# KiCad board CRMHJN_capable_carrier.kicad_pcb (continued)
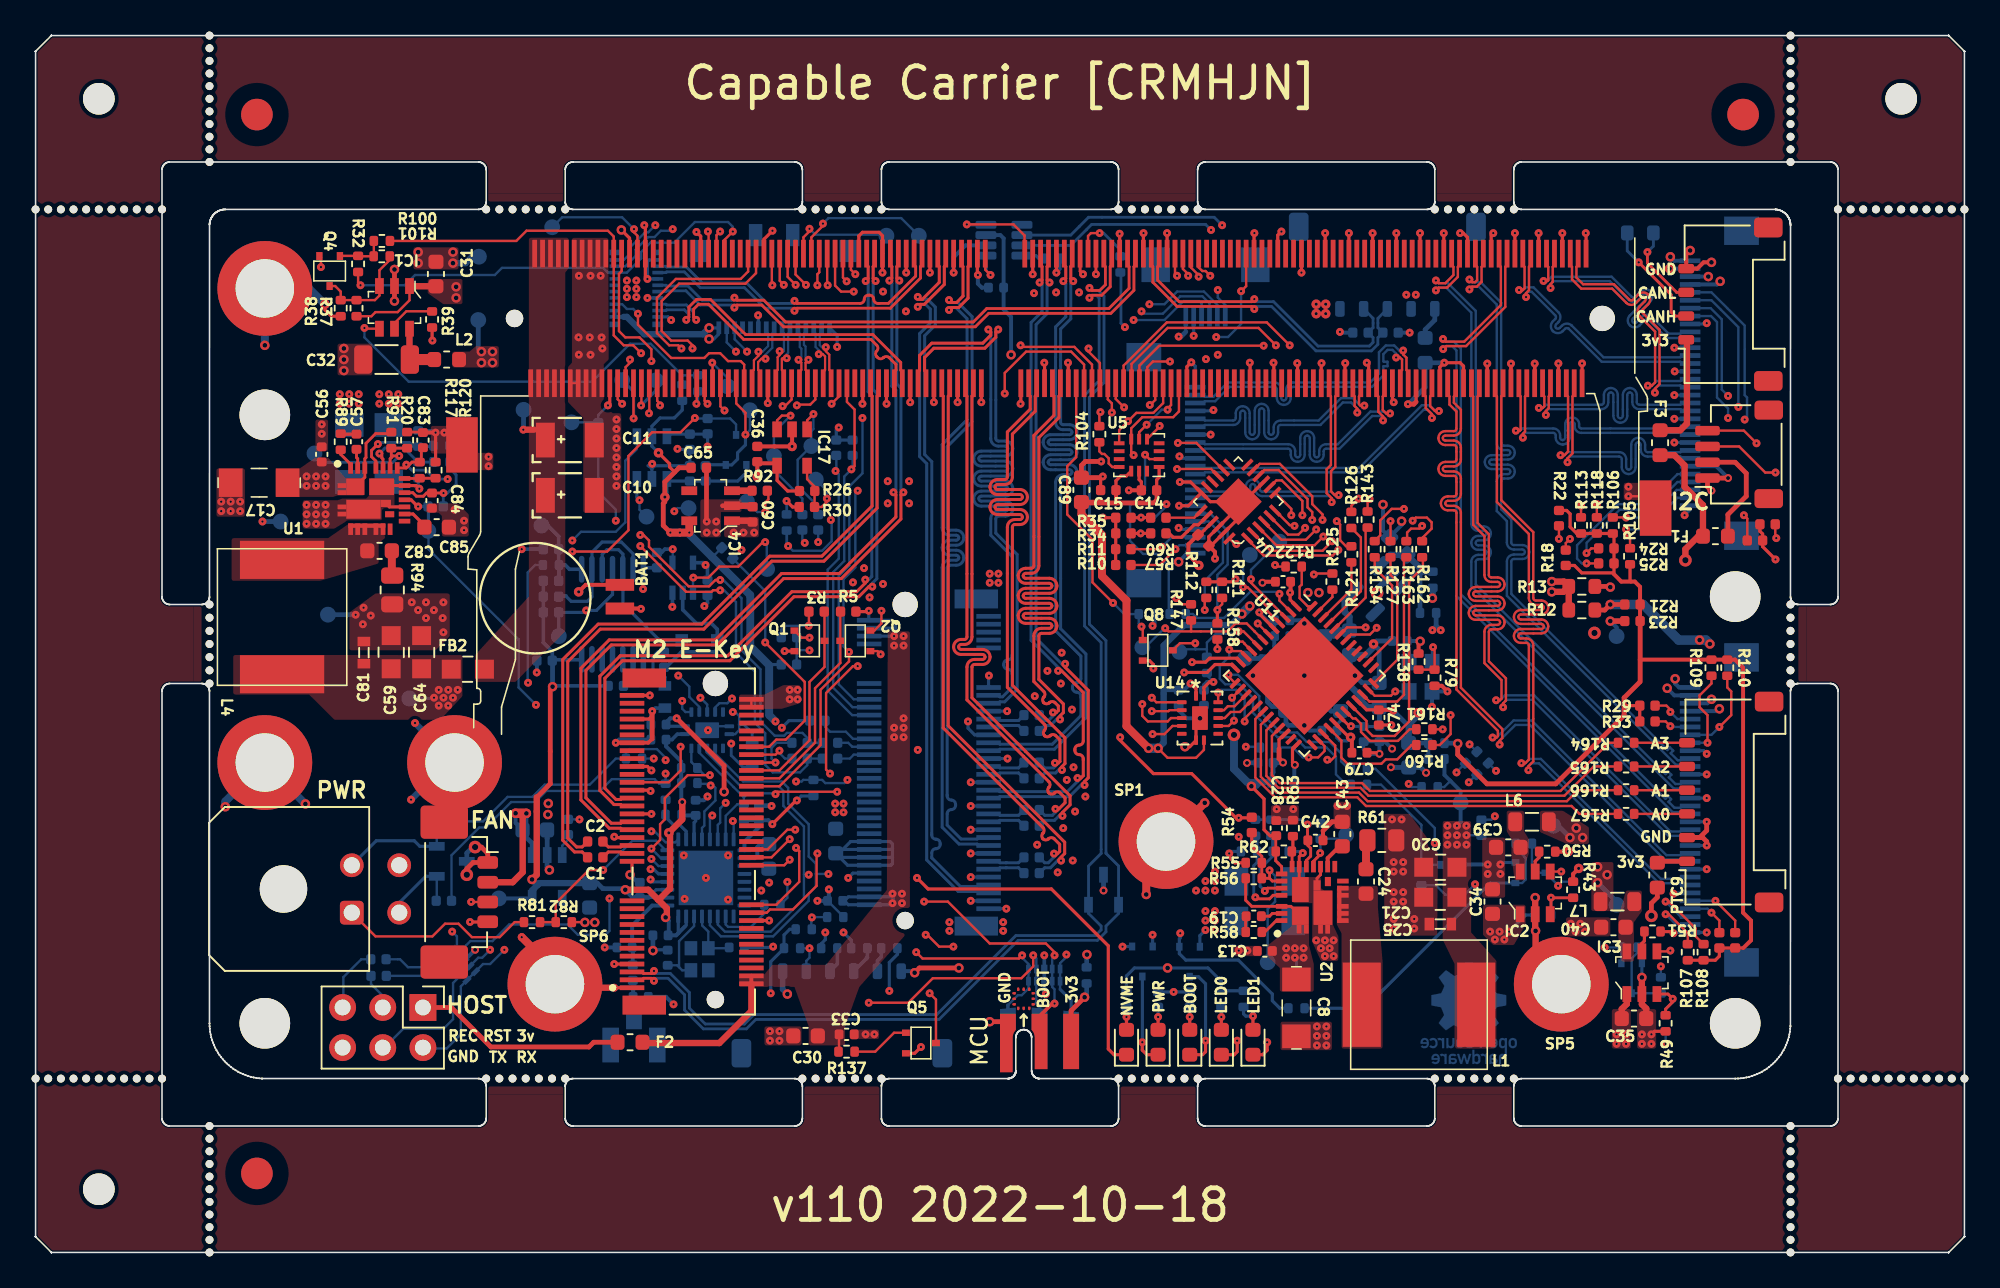
[diagram p0: board, top side]
## Routing (per net, layer and track width the routed paths; a pad name or vN(x,y) marks a point on that pad's centre or on a via; arc(x,y) is an arc through that point) (continued)
Board_0-/CSI/CSI2_D1_P: length 45.5
  Top w0.152: M1.36 89.32,54.27 89.43,54.16 89.43,53.65 89.87,53.21 89.87,52.13 arc(89.82,52.02) 89.71,51.97 89.17,51.97 arc(88.86,51.84) 88.73,51.53 arc(88.86,51.22) 89.17,51.09 89.71,51.09 arc(89.82,51.04) 89.87,50.93 89.87,50.18 arc(89.82,50.07) 89.71,50.02 89.17,50.02 arc(88.86,49.89) 88.73,49.58 arc(88.86,49.27) 89.17,49.14 89.71,49.14 arc(89.82,49.09) 89.87,48.98 89.87,48 arc(89.82,47.89) 89.71,47.84 89.33,47.84 arc(89.01,47.71) 88.89,47.4 arc(89.01,47.09) 89.33,46.96 89.71,46.96 arc(89.82,46.91) 89.87,46.8 89.87,35.62 92.49,33 92.49,32.67 92.4,32.58 v1(92.16,32.58)
  Bottom w0.152: v1(92.16,32.58) 92.4,32.58 93.48,33.66 94.63,33.66 103.15,25.14 104.04,25.14 104.15,25.25 J7.22
Board_0-/CSI/CSI3_CLK_N: length 45.5
  Top w0.152: M1.27 91.57,62.48 91.46,62.36 91.46,61.41 91.16,61.11 90.87,61.11 v1(90.69,60.94)
  Bottom w0.152: J7.11 104.15,30.75 104.04,30.86 103.75,30.86 93.06,41.55 93.06,43.72 arc(93.19,44.03) 93.5,44.16 94.04,44.16 arc(94.15,44.21) 94.2,44.32 arc(94.15,44.43) 94.04,44.48 93.5,44.48 arc(93.19,44.61) 93.06,44.92 93.06,46.27 92.42,46.91 92.42,48.81 arc(92.55,49.12) 92.86,49.25 93.12,49.25 arc(93.23,49.3) 93.28,49.41 arc(93.23,49.52) 93.12,49.57 92.1,49.57 arc(91.79,49.7) 91.66,50.01 arc(91.79,50.32) 92.1,50.45 93.12,50.45 arc(93.23,50.5) 93.28,50.61 arc(93.23,50.72) 93.12,50.77 92.86,50.77 arc(92.55,50.9) 92.42,51.21 92.42,59.98 91.29,61.11 90.87,61.11 v1(90.69,60.94)
Board_0-/CSI/CSI3_CLK_P: length 45.5
  Top w0.152: M1.29 91.07,62.48 91.18,62.36 91.18,61.53 91.04,61.39 90.87,61.39 v1(90.69,61.57)
  Bottom w0.152: J7.10 104.15,31.25 104.04,31.14 103.87,31.14 103.42,31.59 103.58,31.75 103.38,31.95 103.21,31.79 93.34,41.67 93.34,43.72 arc(93.39,43.83) 93.5,43.88 94.04,43.88 arc(94.35,44.01) 94.48,44.32 arc(94.35,44.63) 94.04,44.76 93.5,44.76 arc(93.39,44.81) 93.34,44.92 93.34,46.39 92.7,47.03 92.7,48.81 arc(92.75,48.92) 92.86,48.97 93.12,48.97 arc(93.43,49.1) 93.56,49.41 arc(93.43,49.72) 93.12,49.85 92.1,49.85 arc(91.99,49.9) 91.94,50.01 arc(91.99,50.12) 92.1,50.17 93.12,50.17 arc(93.43,50.3) 93.56,50.61 arc(93.43,50.92) 93.12,51.05 92.86,51.05 arc(92.75,51.1) 92.7,51.21 92.7,60.1 91.41,61.39 90.87,61.39 v1(90.69,61.57)
Board_0-/CSI/CSI3_D0_N: length 45.5
  Top w0.152: M1.21 93.07,62.48 92.96,62.36 92.96,59.83 90.48,57.35 89.22,57.35 v1(89.03,57.16)
  Bottom w0.152: J7.17 104.15,27.75 104.04,27.86 103.54,27.86 89.87,41.53 89.87,57.07 89.59,57.35 89.22,57.35 v1(89.03,57.16)
Board_0-/CSI/CSI3_D0_P: length 45.5
  Top w0.152: v1(89.02,57.8) 89.19,57.63 90.36,57.63 92.68,59.95 92.68,62.36 92.57,62.48 M1.23
  Bottom w0.152: J7.16 104.15,28.25 104.04,28.14 103.66,28.14 103.28,28.51 103.44,28.67 103.44,28.69 103.26,28.87 103.25,28.87 103.09,28.71 90.15,41.65 90.15,57.19 89.71,57.63 89.19,57.63 v1(89.02,57.8)
Board_0-/CSI/CSI3_D1_N: length 45.5
  Top w0.152: v1(88.57,60.88) 88.74,61.05 89.28,61.05 89.96,61.73 89.96,62.36 90.07,62.48 M1.33
  Bottom w0.152: J7.14 104.15,29.25 104.04,29.36 103.61,29.36 90.81,42.16 90.81,43.7 arc(90.94,44.01) 91.25,44.14 91.61,44.14 arc(91.72,44.19) 91.77,44.3 arc(91.72,44.41) 91.61,44.46 91.25,44.46 arc(90.94,44.59) 90.81,44.9 arc(90.94,45.21) 91.25,45.34 91.61,45.34 arc(91.72,45.39) 91.77,45.5 arc(91.72,45.61) 91.61,45.66 91.25,45.66 arc(90.94,45.79) 90.81,46.1 90.81,59.46 89.22,61.05 88.74,61.05 v1(88.57,60.88)
Board_0-/CSI/CSI3_D1_P: length 45.5
  Top w0.152: M1.35 89.57,62.48 89.68,62.36 89.68,61.85 89.16,61.33 88.74,61.33 v1(88.57,61.5)
  Bottom w0.152: v1(88.57,61.5) 88.74,61.33 89.34,61.33 91.09,59.58 91.09,46.1 arc(91.14,45.99) 91.25,45.94 91.61,45.94 arc(91.92,45.81) 92.05,45.5 arc(91.92,45.19) 91.61,45.06 91.25,45.06 arc(91.14,45.01) 91.09,44.9 arc(91.14,44.79) 91.25,44.74 91.61,44.74 arc(91.92,44.61) 92.05,44.3 arc(91.92,43.99) 91.61,43.86 91.25,43.86 arc(91.14,43.81) 91.09,43.7 91.09,42.28 103.1,30.27 103.26,30.43 103.47,30.23 103.3,30.06 103.73,29.64 104.04,29.64 104.15,29.75 J7.13
Board_0-/CSI/CSI4_CLK_N: length 19.5
  Top w0.152: v1(85.67,53.09) 85.43,53.09 85.21,53.31 85.21,54.16 85.32,54.27 M1.52
  Bottom w0.152: J10.15 73.85,51.25 73.96,51.14 79.23,51.14 arc(79.54,51.01) 79.67,50.7 79.67,50.47 arc(79.72,50.36) 79.83,50.31 arc(79.94,50.36) 79.99,50.47 79.99,51.53 arc(80.12,51.84) 80.43,51.97 arc(80.74,51.84) 80.87,51.53 80.87,50.47 arc(80.92,50.36) 81.03,50.31 arc(81.14,50.36) 81.19,50.47 81.19,50.7 arc(81.32,51.01) 81.63,51.14 82.36,51.14 84.43,53.21 85.31,53.21 85.43,53.09 v1(85.67,53.09)
Board_0-/CSI/CSI4_CLK_P: length 19.5
  Top w0.152: M1.54 84.82,54.27 84.93,54.16 84.93,53.19 85.23,52.89 v1(85.23,52.65)
  Bottom w0.152: J10.14 73.85,50.75 73.96,50.86 79.23,50.86 arc(79.34,50.81) 79.39,50.7 79.39,50.47 arc(79.52,50.16) 79.83,50.03 arc(80.14,50.16) 80.27,50.47 80.27,51.53 arc(80.32,51.64) 80.43,51.69 arc(80.54,51.64) 80.59,51.53 80.59,50.47 arc(80.72,50.16) 81.03,50.03 arc(81.34,50.16) 81.47,50.47 81.47,50.7 arc(81.52,50.81) 81.63,50.86 82.48,50.86 84.55,52.93 85.19,52.93 85.23,52.89 v1(85.23,52.65)
Board_0-/CSI/CSI4_D0_N: length 19.4
  Top w0.152: M1.46 86.82,55.73 86.71,55.84 86.71,56.61 86.5,56.82 v1(86.5,57.07)
  Bottom w0.152: J10.21 73.85,54.25 73.96,54.14 74.49,54.14 75.4,55.05 78.35,55.05 arc(78.66,54.92) 78.79,54.61 78.79,54.07 arc(78.84,53.96) 78.95,53.91 arc(79.06,53.96) 79.11,54.07 79.11,54.61 arc(79.24,54.92) 79.55,55.05 84.41,55.05 84.97,55.61 84.97,56.96 85.4,57.39 85.93,57.39 86.25,57.07 v1(86.5,57.07)
Board_0-/CSI/CSI4_D0_P: length 19.5
  Top w0.152: v1(86.06,56.63) 86.3,56.63 86.43,56.5 86.43,55.84 86.32,55.73 M1.48
  Bottom w0.152: v1(86.06,56.63) 86.06,56.87 85.82,57.11 85.52,57.11 85.25,56.84 85.25,56.39 85.28,56.36 85.51,56.36 85.51,56.08 85.25,56.08 85.25,55.49 84.53,54.77 79.55,54.77 arc(79.44,54.72) 79.39,54.61 79.39,54.07 arc(79.26,53.76) 78.95,53.63 arc(78.64,53.76) 78.51,54.07 78.51,54.61 arc(78.46,54.72) 78.35,54.77 75.52,54.77 74.61,53.86 73.96,53.86 73.85,53.75 J10.20
Board_0-/CSI/CSI4_D1_N: length 19.5
  Top w0.152: M1.58 83.82,54.27 83.71,54.16 83.71,53.68 83.8,53.59 v1(84.04,53.59)
  Bottom w0.152: J10.18 73.85,52.75 73.96,52.64 75.75,52.64 arc(75.86,52.69) 75.91,52.8 75.91,53.1 arc(76.04,53.42) 76.35,53.54 arc(76.66,53.42) 76.79,53.1 76.79,51.9 arc(76.84,51.78) 76.95,51.74 arc(77.06,51.78) 77.11,51.9 77.11,53.25 arc(77.24,53.57) 77.55,53.69 arc(77.86,53.57) 77.99,53.25 77.99,51.9 arc(78.04,51.78) 78.15,51.74 arc(78.26,51.78) 78.31,51.9 78.31,52.2 arc(78.44,52.51) 78.75,52.64 81.15,52.64 82.57,54.06 83.33,54.06 83.8,53.59 v1(84.04,53.59)
Board_0-/CSI/CSI4_D1_P: length 19.5
  Top w0.152: v1(83.6,53.14) 83.6,53.39 83.43,53.56 83.43,54.16 83.32,54.27 M1.60
  Bottom w0.152: v1(83.6,53.14) 83.6,53.39 83.21,53.78 82.69,53.78 81.27,52.36 78.75,52.36 arc(78.64,52.31) 78.59,52.2 78.59,51.9 arc(78.46,51.58) 78.15,51.46 arc(77.84,51.58) 77.71,51.9 77.71,53.25 arc(77.66,53.37) 77.55,53.41 arc(77.44,53.37) 77.39,53.25 77.39,51.9 arc(77.26,51.58) 76.95,51.46 arc(76.64,51.58) 76.51,51.9 76.51,53.1 arc(76.46,53.22) 76.35,53.26 arc(76.24,53.22) 76.19,53.1 76.19,52.8 arc(76.06,52.49) 75.75,52.36 73.96,52.36 73.85,52.25 J10.17
Board_0-/CSI/CSI4_D2_N: length 19.4
  Top w0.152: M1.40 88.32,54.27 88.21,54.16 88.21,53.55 88.51,53.24 v1(88.76,53.24)
  Bottom w0.152: J10.12 73.85,49.75 73.96,49.64 83.72,49.64 87.69,53.61 88.15,53.61 88.51,53.24 v1(88.76,53.24)
Board_0-/CSI/CSI4_D2_P: length 19.4
  Top w0.152: v1(88.32,52.8) 88.32,53.05 87.93,53.43 87.93,54.16 87.82,54.27 M1.42
  Bottom w0.152: J10.11 73.85,49.25 73.96,49.36 83.83,49.36 87.8,53.33 88.03,53.33 88.32,53.05 v1(88.32,52.8)
Board_0-/CSI/CSI4_D3_N: length 19.5
  Top w0.152: M1.64 82.32,54.27 82.21,54.16 82.21,49.71 81.94,49.44 81.94,48.16 82.18,47.92 v1(82.42,47.92)
  Bottom w0.152: J10.9 73.85,48.25 73.96,48.14 75.79,48.14 arc(76.1,48.01) 76.23,47.7 76.23,47.34 arc(76.28,47.22) 76.39,47.18 arc(76.5,47.22) 76.55,47.34 76.55,48.46 arc(76.68,48.77) 76.99,48.9 arc(77.3,48.77) 77.43,48.46 77.43,48.3 arc(77.48,48.19) 77.59,48.14 81.96,48.14 82.18,47.92 v1(82.42,47.92)
Board_0-/CSI/CSI4_D3_P: length 19.5
  Top w0.152: M1.66 81.82,54.27 81.93,54.16 81.93,49.83 81.66,49.56 81.66,48.04 81.98,47.72 v1(81.98,47.48)
  Bottom w0.152: J10.8 73.85,47.75 73.96,47.86 75.79,47.86 arc(75.9,47.81) 75.95,47.7 75.95,47.34 arc(76.08,47.03) 76.39,46.9 arc(76.7,47.03) 76.83,47.34 76.83,48.46 arc(76.88,48.58) 76.99,48.62 arc(77.1,48.58) 77.15,48.46 77.15,48.3 arc(77.28,47.99) 77.59,47.86 81.84,47.86 81.98,47.72 v1(81.98,47.48)
Board_0-/CSI/I2C_EXT_SCL: length 55.8
  Top w0.15: U4.15 74.36,49.58 v1(72.2,49.58) ; J15.4 108.05,52 v1(108.85,51.2) ; v1(108.05,46.65) 108.27,46.44 R102.2
  In2.Cu w0.15: v1(72.2,49.58) 73.4,49.58 79.15,55.33 98.47,55.33 99.4,56.25 106.3,56.25 108.7,53.85 108.7,51.35 v1(108.85,51.2) 108.7,51.05 108.7,47.3 v1(108.05,46.65)
Board_0-/CSI/I2C_EXT_SDA: length 59.1
  Top w0.15: J15.3 107.75,51 109.4,49.35 v1(110.05,49.35) ; v1(72.25,51.23) 73.42,51.23 U4.14 ; R103.2 110.03,45.27 v1(110.1,45.2)
  In2.Cu w0.15: v1(110.1,45.2) 110.05,45.25 v1(110.05,49.35) 110.05,52.95 106.4,56.6 99.28,56.6 98.33,55.65 78.97,55.65 74.22,50.9 72.58,50.9 v1(72.25,51.23)
Board_0-/FPGA/AUX0: length 3.3
  Top w0.15: 104.44,27.75 R167.1
Board_0-/FPGA/AUX1: length 3.3
  Top w0.15: R166.1 104.44,29.25
Board_0-/FPGA/AUX2: length 3.3
  Top w0.15: 104.44,30.75 R165.1
Board_0-/FPGA/AUX3: length 3.3
  Top w0.15: 104.44,32.25 R164.1
Board_0-/FPGA/CDONE: length 9.6
  Top w0.15: U11.7 77.1,39.3 77.1,39.3 76.6,39.8 75.9,39.8 75.4,39.3 73.1,39.3 ; v1(71.45,39.5) 71.65,39.3 73.1,39.3 ; 73.1,39.3 73.08,39.31 R147.2
  Bottom w0.15: v1(71.45,39.5) 71.4,39.5 70.19,38.3 TP37.1
Board_0-/FPGA/CLK: length 2.9
  Top w0.15: v1(86,35.5) 85.72,35.23 84.7,35.23 84.28,35.64 U11.35
  Bottom w0.15: v1(86,35.5) U12.3
Board_0-/FPGA/CRESET: length 8.6
  Top w0.15: Q8.3 72.38,38.55 v1(73.35,38.55) ; v1(76.1,39.3) 76.4,39.3 77.28,38.42 U11.8
  Bottom w0.15: v1(73.35,38.55) 73.35,38.18 73.36,38.16 ; 74.08,38.16 73.36,38.16 ; 74.08,38.16 74.08,38.59 74.65,39.15 75.95,39.15 v1(76.1,39.3) ; 74.08,38.16 R146.2 ; 73.36,38.16 72.5,38.16 TP36.1
Board_0-/FPGA/ICE_SCK: length 2.2
  Top w0.15: 76.58,35.31 75.84,34.56 75.41,34.56 75.16,34.31 U14.12
Board_0-/FPGA/ICE_SI: length 5.4
  Top w0.15: 77.29,34.6 76.47,33.79 v1(76.47,33.6) ; v1(74.8,35.42) 74.8,35.42 U14.13
  Bottom w0.15: v1(76.47,33.6) 76.47,35.08 75.95,35.6 74.97,35.6 v1(74.8,35.42)
Board_0-/FPGA/ICE_SO: length 3.4
  Top w0.15: U14.10 75.46,33.31 v1(75.8,33.65) ; 76.23,35.65 v1(75.67,35.1)
  Bottom w0.15: v1(75.8,33.65) 75.8,34.98 v1(75.67,35.1)
Board_0-/FPGA/ICE_SS: length 2.6
  Top w0.15: 76.94,34.95 76.18,34.2 75.6,34.2 75.21,33.81 U14.11
Board_0-/FPGA/LED0: length 37.5
  Top w0.2: D6.1 75.81,12.51 76,12.7 v1(76,13.4) ; 76.23,37.36 75.99,37.6 74.25,37.6 74,37.35 v1(73.15,37.35)
  In2.Cu w0.2: v1(76,13.4) 75.3,14.1 70.65,14.1 69.5,15.25 69.5,20.15 68.15,21.5 68.15,28.2 71.55,31.6 71.55,36.5 72.4,37.35 v1(73.15,37.35)
Board_0-/FPGA/LED1: length 37.4
  Top w0.2: v1(72.65,36.7) 74.1,36.7 74.6,37.2 75.66,37.2 U11.12 75.86,36.99 75.65,37.2 ; v1(77.9,13.3) 77.9,12.8 77.61,12.51 D7.1
  In2.Cu w0.2: v1(72.65,36.7) 72.6,36.7 72,36.1 72,31.3 68.65,27.95 68.65,21.7 70.05,20.3 70.05,17.45 71.65,15.85 77.05,15.85 77.9,15 v1(77.9,13.3)
Board_0-/FPGA/VIO: length 16
  Top w0.2: 84.95,34.34 84.19,34.34 83.58,34.94 U11.33
  Top w0.25: v1(85.88,34.27) 85.81,34.34 84.95,34.34 ; v2(87.58,38.67) 87.47,38.58 87.47,37.9
  In2.Cu w0.25: v2(87.45,34.15) 87.55,34.15 87.58,34.17 v2(87.58,38.67)
  Bottom w0.25: U12.4 86.88,38.2 86.76,38.31 C87.2 87.56,38.69 v2(87.58,38.67) ; R150.2 R149.2
  Bottom w0.3: R150.2 88.08,32.24 C75.2 ; v1(85.88,34.27) 86.85,33.3 86.85,33.33 87.45,33.92 v2(87.45,34.15)
  Bottom w0.4: C75.2 86.85,33.3
Board_0-/I2C Devices/SN_WP: length 5.4
  Top w0.15: v1(50.05,47.7) 50.05,47.5 49.72,47.17 R30.2 49.27,48.17 R26.2 49.28,48.45 48.8,48.93 IC17.5
  Bottom w0.15: v1(50.05,47.7) 50.05,48.2 TP4.1
Board_0-/Interfaces/C_PCIE0_TX0_N: length 2.4
  Bottom w0.191: J8.47 60.9,33.25 60.99,33.34 62.17,33.34 C38.1
Board_0-/Interfaces/C_PCIE0_TX0_P: length 2.4
  Bottom w0.191: C37.1 62.17,33.66 60.99,33.66 60.9,33.75 J8.49
Board_0-/Interfaces/C_PCIE0_TX1_N: length 2.4
  Bottom w0.191: C51.1 62.17,30.34 60.99,30.34 60.9,30.25 J8.35
Board_0-/Interfaces/C_PCIE0_TX1_P: length 2.4
  Bottom w0.191: C49.1 62.17,30.66 60.99,30.66 60.9,30.75 J8.37
Board_0-/Interfaces/C_PCIE0_TX2_N: length 2.4
  Bottom w0.191: J8.23 60.9,27.25 60.99,27.34 62.17,27.34 C68.1
Board_0-/Interfaces/C_PCIE0_TX2_P: length 2.4
  Bottom w0.191: C52.1 62.17,27.66 60.99,27.66 60.9,27.75 J8.25
Board_0-/Interfaces/C_PCIE0_TX3_N: length 2.4
  Bottom w0.191: C70.1 62.17,24.34 60.99,24.34 60.9,24.25 J8.11
Board_0-/Interfaces/C_PCIE0_TX3_P: length 2.4
  Bottom w0.191: C69.1 62.17,24.66 60.99,24.66 60.9,24.75 J8.13
Board_0-/Interfaces/C_PCIE1_TX0_N: length 2
  Top w0.191: C2.2 36.23,25.66 37.01,25.66 37.1,25.75 J4.37
Board_0-/Interfaces/C_PCIE1_TX0_P: length 2
  Top w0.191: C1.2 36.23,25.34 37.01,25.34 37.1,25.25 J4.35
Board_0-/Interfaces/CANH: length 47.8
  Top w0.18: v1(101.4,62.65) 103.45,60.6 103.45,59.5 103.7,59.25 J16.2
  In2.Cu w0.18: v1(74.35,64.7) 76.05,63 101.05,63 v1(101.4,62.65)
  Bottom w0.18: U6.7 65.47,63.73 66.8,65.05 74,65.05 v1(74.35,64.7) ; v1(101.4,62.65) 100.67,63.38 R156.2
Board_0-/Interfaces/CANL: length 46.2
  Top w0.18: v1(101.95,63.3) 101.95,62.6 103.8,60.75 J16.3
  In2.Cu w0.18: v1(75.05,65) 76.6,63.45 101.8,63.45 v1(101.95,63.3)
  Bottom w0.18: v1(101.95,63.3) 102.33,63.67 R156.1 ; U6.6 65.47,64.38 66.6,65.5 74.55,65.5 v1(75.05,65)
Board_0-/Interfaces/NVME_LED: length 27.5
  Top w0.2: NVME1.1 68.21,12.51 67.85,12.88 67.85,19.4 64.25,23 56.45,23 v1(55.75,23.7)
  In2.Cu w0.2: v1(55.75,23.7) v1(51.4,23.7)
  Bottom w0.2: v1(51.4,23.7) 51.7,24 J8.10
Board_0-/Interfaces/W_DISABLE1: length 13
  Top w0.15: R3.1 49.9,40.53 Q1.3 49.9,37.05 48.95,36.1 48.95,32.4 47.05,30.5 J4.56
Board_0-/Interfaces/W_DISABLE2: length 13.9
  Top w0.15: R5.1 50.9,40.53 Q2.3 50.9,37.3 49.3,35.7 49.3,32.25 47.05,30 J4.54
Board_0-/MCU/BUF_EN: length 51.5
  In2.Cu w0.15: v1(47.6,44.7) 47.65,44.65 47.65,42.9 44.5,39.75 44.5,36.95 44.7,36.75 44.7,34.8 v1(44.1,34.2) ; v1(68.9,58.55) 68.7,58.35 62.15,58.35 60.35,56.55 56.65,56.55 54.6,54.5 54.6,52.85 52.95,51.2 52.95,48.35 50.95,46.35 v1(50.3,46.35)
  Bottom w0.15: v1(50.3,46.35) 50.35,46.3 50.35,45 49.75,44.4 47.9,44.4 v1(47.6,44.7) ; U8.8 44.24,32.8 44.5,33.05 44.5,33.95 44.25,34.2 v1(44.1,34.2)
  Bottom w0.18: C54.2 45.33,32.88 44.8,33.4 44.5,33.4 ; v1(47.6,44.7) 47.51,44.79 R70.1 ; R90.2 68.65,61.97 68.65,58.8 v1(68.9,58.55)
Board_0-/MCU/BUTTON: length 16
  In2.Cu w0.15: v1(38.95,24.9) 39.3,24.9 45.35,18.85 48.55,18.85 v1(48.95,19.25)
  Bottom w0.15: v1(38.95,24.9) 39.4,24.45 U7.6 ; J11.5 48.75,18.45 48.95,18.65 v1(48.95,19.25) R52.2
Board_0-/MCU/ESP_BOOT: length 38.4
  Top w0.15: v1(46.8,29) 46.95,29.15 v1(50.7,29.15) ; v1(56.2,22.2) 57.7,22.2 60.35,19.55 63.9,19.55 64.45,19 v1(64.45,18.8) ; v1(64.45,15.75) 64.3,15.75
  Top w0.23: J18.2 63.5,14.95 64.3,15.75
  In2.Cu w0.15: v1(56.2,22.2) 56.4,22.4 56.4,24.7 51.95,29.15 v1(50.7,29.15)
  Bottom w0.15: 44.8,28.8 45.05,29.05 46.75,29.05 v1(46.8,29) ; 44.8,28.8 R71.1 44.38,28.36 43.65,27.62 U7.15 ; 44.8,28.8 41.98,31.62 U8.12 ; v1(64.45,15.75) 64.45,16.65 64.3,16.8 U9.2 64.3,18.65 v1(64.45,18.8)
Board_0-/MCU/ESP_EN: length 52.7
  Top w0.15: v1(38.95,25.55) 39.5,26.1 39.5,27.1 39.8,27.4 39.8,28.75 41.25,30.2 v1(42.65,30.2) ; v1(52.7,15.8) 55.2,15.8 56.75,17.35 62.35,17.35 63.1,18.1 v1(63.1,18.8)
  In2.Cu w0.15: v1(38.95,25.55) 38.6,25.55 38.15,25.1 38.15,18.95 38.55,18.55 39.2,18.55 39.9,17.85 42.75,17.85 45.7,14.9 51.75,14.9 52.65,15.8 v1(52.7,15.8)
  Bottom w0.15: 39.6,24.95 39.97,24.95 ; v1(38.95,25.55) 39.55,24.95 39.97,24.95 ; 63.3,15.8 U9.4 63.3,18.6 v1(63.1,18.8) ; v1(42.65,30.2) 42.31,30.2 R83.1 41.48,31.03 U8.13
  Bottom w0.23: J18.4 63.5,15.6 63.3,15.8
Board_0-/MCU/ESP_RF: length 5.3
  Bottom w0.25: 39.97,21.95 39,21.95 37.73,20.68 C7.1 37.77,19.26 L5.2
Board_0-/MCU/ESP_RX: length 43.3
  Top w0.15: v1(55.7,19) 56.1,18.6 62.2,18.6 v1(62.4,18.8)
  In2.Cu w0.15: v1(48.9,23.9) 49.45,23.35 49.45,23 53.5,18.95 55.65,18.95 v1(55.7,19)
  Bottom w0.15: 48.6,23.9 48.6,22.4 46.5,20.3 43.6,20.3 43.15,20.75 U7.27 ; 48.6,23.9 48.6,26.95 47.3,28.25 47.3,29.2 47,29.5 44.6,29.5 42.48,31.62 U8.11 ; 48.6,23.9 v1(48.9,23.9) ; v1(62.4,18.8) 62.4,18.65 62.8,18.25 U9.5 62.8,16.7 62.38,16.28 62.12,16.28 61.5,15.65
  Bottom w0.23: J18.3 61.5,15.65
Board_0-/MCU/ESP_TX: length 45.8
  Top w0.15: v1(58.05,19.35) 57.15,19.35 56.4,20.1 v1(56.3,20.1)
  In2.Cu w0.15: v1(50.15,23.95) 50.2,23.95 54.05,20.1 v1(56.3,20.1) ; v1(65.2,18.85) 64.7,19.35 v1(58.05,19.35)
  Bottom w0.15: 49.35,23.95 49.35,24.6 48.9,25.05 48.9,27.1 47.6,28.4 47.6,29.4 47.2,29.8 44.75,29.8 42.98,31.57 U8.10 ; 49.35,23.95 49.35,23.15 48.9,22.7 48.9,22.25 46.65,20 43.35,20 42.65,20.7 U7.28 ; 49.35,23.95 v1(50.15,23.95) ; 64.8,16.65 U9.1 64.8,18.3 65.2,18.7 v1(65.2,18.85)
  Bottom w0.2: J18.6 65.5,15.95 64.8,16.65
Board_0-/MCU/ESP_XTAL_N: length 3.5
  Bottom w0.15: 42.16,21.26 42.16,20.69 42.55,20.3 Y1.1 43.82,19.25 C27.1
Board_0-/MCU/ESP_XTAL_P: length 5.2
  Bottom w0.15: Y1.3 40.9,17.85 40.7,18.05 ; 40.7,18.05 40.7,19.7 41.65,20.65 U7.30 ; 40.7,18.05 40.58,18.17 C29.1
Board_0-/MCU/GPIO5: length 3.3
  Bottom w0.2: R72.1 39.84,28.63 R65.1 39.84,27.56 40.35,27.05 40.75,27.05 41.15,26.65 U7.10
Board_0-/MCU/GPIO6: length 10.5
  In2.Cu w0.15: v1(39.1,31.25) 39.4,30.95 39.4,30.02 39.88,29.55 v1(42.7,29.55)
  Bottom w0.15: R64.1 41.91,29.65 42.6,29.65 v1(42.7,29.55) 42.85,29.55 43,29.4 43,28.6 42.3,27.9 42.3,27.01 42.15,26.86 U7.12 ; v1(39.1,31.25) R73.1
Board_0-/MCU/GPIO7: length 31.6
  In2.Cu w0.15: v1(36.7,46.3) 36.7,38.25 35.65,37.2 35.65,30.85 37.8,28.7 39.95,28.7 41,27.65 v1(42.8,27.65)
  Bottom w0.15: v1(42.8,27.65) 42.65,27.5 U7.13 ; v1(36.7,46.3) 36.7,47 35.6,48.1 R80.1
Board_0-/MCU/GPIO8: length 30.5
  Top w0.15: Q5.3 56.95,16 v1(56.55,16.4)
  In2.Cu w0.15: v1(43.65,28.45) 45.55,28.45 46.9,29.8 v1(48.1,29.8) ; v1(56.55,16.4) 56.9,16.75 56.9,24.7 51.7,29.9 v1(51.35,29.9)
  Bottom w0.15: U7.14 43.15,27.05 43.3,27.2 43.3,28.1 v1(43.65,28.45) ; v1(48.1,29.8) 48.45,29.8 48.55,29.9 R78.2 49.75,29.9 49.95,29.7 51.15,29.7 v1(51.35,29.9)
Board_0-/MCU/GPIO10: length 27.1
  In2.Cu w0.15: v1(31.15,36.05) 32.2,35 32.2,33.3 37.17,28.33 39.83,28.33 41.05,27.1 43.9,27.1 v1(44.1,27.3)
  Bottom w0.15: v1(44.1,27.3) 44.15,27.25 U7.16 ; v1(31.15,36.05) 31.12,36.08 31.12,43.02 31.6,43.5 R88.2
Board_0-/MCU/GPIO19: length 3.9
  Bottom w0.15: U7.26 43.65,20.75 43.8,20.6 45.25,20.6 46.09,21.44 R93.2
Board_0-/MCU/MCU_3v3_EN: length 1.4
  Bottom w0.15: IC5.3 33.31,25.74 33.68,26.11 R31.1
Board_0-/MCU/RGB0: length 24.7
  In2.Cu w0.2: v1(38.9,23.6) 38.9,20.75 39.55,20.1 41.1,20.1 45.8,15.4 51.25,15.4 52.4,16.55 v1(54,16.55)
  Bottom w0.2: 39.97,23.45 39.05,23.45 v1(38.9,23.6) ; v1(54,16.55) 54,18.35 54.51,18.86 R75.1
Board_0-/MCU/RGB1: length 18.6
  In2.Cu w0.2: v1(38.9,24.25) 39.15,24.25 39.8,23.6 39.8,22.35 40.8,21.35 42.2,21.35 45.05,18.5 49.65,18.5 51.1,19.95 v1(51.1,20.25)
  Bottom w0.2: v1(51.1,20.25) 51.59,19.76 R76.1 ; 39.97,23.95 39.4,23.95 39.1,24.25 v1(38.9,24.25)
Board_0-/MCU/RGB2: length 17
  In2.Cu w0.2: v1(49.95,20.25) 45.05,20.25 38.95,26.35 v1(38.95,26.65)
  Bottom w0.15: v1(38.95,26.65) 39.15,26.65 39.85,25.95 40.46,25.95 U7.9
  Bottom w0.2: R77.1 49.69,19.53 49.95,19.79 v1(49.95,20.25)
Board_0-/SoM/PMIC_BBAT: length 29.5
  Top w0.2: M1.235 37.57,64.18 v2(37.05,64.7)
  Top w0.25: BAT1.+ 34.79,42.24 v4(34.35,41.8)
  In2.Cu w0.2: v4(34.35,41.8) 34.7,42.15 34.7,45.06 33.65,46.11 33.65,58.75 36.48,61.58 36.48,64.33 36.85,64.7 v2(37.05,64.7)
Board_0-/SoM/UART2_RX: length 50.5
  Top w0.15: M1.238 36.82,53.98 v1(37.1,53.7)
  In2.Cu w0.15: v1(29.65,19.15) 30.15,19.65 30.15,27.05 29.8,27.4 29.8,28.15 30.65,29 30.65,36.62 31.42,37.4 34.3,37.4 36.1,39.2 36.1,52.7 v1(37.1,53.7)
  Bottom w0.15: v1(29.65,19.15) 28.75,18.25 28.3,18.25 27.28,17.23 U10.1 26.9,16.83 26.9,13.8 26,12.91 24.55,12.91
Board_0-/SoM/UART2_TX: length 55.2
  Top w0.15: M1.236 37.32,56.02 37.6,56.3 v1(37.6,56.5)
  In2.Cu w0.15: v1(28.75,19.15) 29.7,20.1 29.7,26.95 29.4,27.25 29.4,28.3 30.3,29.2 30.3,36.7 31.35,37.75 34.2,37.75 35.77,39.33 35.77,54.67 v1(37.6,56.5)
  Bottom w0.15: 22.01,12.91 23.25,14.15 25.8,14.15 26.41,14.76 26.41,17.05 U10.2 26.93,17.58 28,18.65 28.25,18.65 v1(28.75,19.15)
Board_0-/SPI Devices/IMU_INT1: length 2.4
  Top w0.15: R104.1 67.28,50.69 67.45,50.52 67.6,50.52 67.88,50.25 67.88,49.92 68.1,49.7 U5.4
Board_0-/Supply/EXT0: length 7.8
  Bottom w0.15: D3.2 25.38,27.17 R66.2
  Bottom w0.2: D3.2 24.3,25.7 23.95,26.05 21.55,26.05 J9.2
Board_0-/Supply/EXT1: length 5.3
  Bottom w0.15: R67.2 25.38,22.28 D3.1
  Bottom w0.2: J9.3 23,22.12 24.67,23.8 D3.1
Board_0-/Supply/FAN_PMW_5V: length 38.6
  Top w0.2: v1(27.48,20.91) 28.59,20.91 J12.4
  In2.Cu w0.15: v1(27.48,20.91) 27.09,21.3 27.09,22.55 28.5,23.96 28.5,26.05 28.1,26.45 28.1,28.8 29.1,29.8 29.1,40.9 33.25,45.05 v1(33.95,45.05)
  Bottom w0.15: U3.4 38.03,50.83 37.3,50.1 37.3,46.2 36.7,45.6 34.5,45.6 v1(33.95,45.05)
Board_0-/Supply/FAN_TACH_5V: length 43.9
  Top w0.15: v1(27.55,22.18) 27.55,22.17 J12.3 ; v1(33.95,44.35) 36.15,44.35 37.5,45.7 37.5,50.4 39,51.9 40.8,51.9 v1(41.7,52.8)
  In2.Cu w0.15: v1(33.95,44.35) 33.4,44.35 29.5,40.45 29.5,29.52 28.55,28.58 28.55,26.69 28.85,26.39 28.85,23.83 27.55,22.53 v1(27.55,22.18)
  Bottom w0.15: v1(41.7,52.8) 41.73,52.77 R46.1 43.93,52.77 44.31,52.39 T3.3
Board_0-/Supply/Q: length 15.1
  Bottom w0.2: IC12.3 35.84,44.17 36.14,44.47 36.87,44.47 37.15,44.19 37.15,43.24 IC12.5 37.15,43.22 37.15,41.05 39.4,38.8 ; R36.2 38.1,35.85 39.05,36.8 39.05,37.7 39.34,37.99 R85.1 39.75,38.65 39.82,38.72
  Bottom w0.23: 39.4,38.8 39.48,38.72 D13.K
Board_0-/Supply/QDEL: length 10.1
  Bottom w0.23: IC13.2 40.93,40.67 41.8,39.8 42.75,39.8 43.12,39.43 D13.A 43.12,38.17 42.95,38 40.85,38 39.87,37.02 R85.2 39.75,36.45 39.8,36.4 C63.2
Board_0-/Supply/VDRV_3V_DCDC: length 1.8
  Top w0.25: C43.1 82.47,25.7 81.72,24.95 U2.12
Board_0-/Supply/VDRV_5V_DCDC: length 1.7
  Top w0.2: U1.12 23.88,46.73 24.59,46.01 24.59,45.91
Board_0-\PEWAKE_3V3: length 31.1
  Top w0.15: M1.179 51.57,62.18 v1(51.85,61.9)
  In2.Cu w0.15: v1(52.3,52.8) 53.05,53.55 53.05,60.2 51.9,61.35 51.9,61.85 v1(51.85,61.9)
  Bottom w0.15: J8.54 51.75,35 50.8,35.95 50.8,42.8 51.47,43.48 51.47,48.48 52.3,49.3 v1(52.3,52.8)
Board_0-BT_M2_WAKE_AP: length 56.7
  Top w0.15: v1(66.6,57.2) 66.6,57 67.32,56.28 M1.124 ; v1(50.25,30.3) 50,30.55 50,35.4 51.7,37.1 v1(52,37.1) ; J4.20 46.25,21.5 46.45,21.7 47.9,21.7 49.4,23.2 49.4,25.2 v1(49.45,25.25)
  In2.Cu w0.15: v1(50.25,30.3) 50.25,30.15 50.05,29.95 50.05,25.85 v1(49.45,25.25) ; v1(48.95,38.1) 49.95,37.1 v1(52,37.1) 52.2,37.3 55.4,37.3 57,38.9 57,46.6 66.6,56.2 v1(66.6,57.2)
  Bottom w0.15: 48.13,38.12 48.94,38.12 v1(48.95,38.1) ; 48.13,38.12 R4.2 ; 48.13,38.12 R133.2
Board_0-CAM0_MCLK: length 24.7
  Top w0.15: M1.116 69.32,56.22 71.6,58.5 77.35,58.5 v1(78.45,57.4) ; v1(83.67,47.7) 83.22,47.25 R126.2
  In3.Cu w0.15: v1(78.45,57.4) 78.5,57.4 79.2,56.7 79.2,55.73 83.55,51.38 83.55,47.83 v1(83.67,47.7)
Board_0-CAM0_PWDN: length 25.5
  Top w0.15: R121.2 82.89,44.69 82.51,45.06 82.51,46.06 v1(82.3,46.27) ; v1(77.67,57.38) 71.08,57.38 69.82,56.12 M1.114
  In3.Cu w0.15: v1(77.67,57.38) 78.12,56.92 78.4,56.92 78.8,56.52 78.8,55.6 83.05,51.35 83.05,47.7 82.3,46.95 v1(82.3,46.27)
Board_0-CAM0_RST: length 21.1
  Top w0.15: v1(100.6,45.75) 100.6,45.4 100.85,45.15 R105.2 ; v1(87.7,45.98) 87.52,45.8 87,45.8 86.75,45.55 86.75,45.01
  In2.Cu w0.15: v1(87.7,45.98) 87.92,46.2 97.3,46.2 97.9,45.6 100.45,45.6 v1(100.6,45.75)
  Bottom w0.15: v1(100.6,45.75) 101.85,45.75 103.85,47.75 J6.31
Board_0-CAM0_TRIG: length 22
  Top w0.15: v1(87.1,46.3) 87.3,46.5 88,46.5 88.3,46.2 88.3,45.8 87.75,45.25 87.75,45.01 ; R106.2 100.59,46.51 v1(100.6,46.5)
  In2.Cu w0.15: v1(87.1,46.3) 87.2,46.3 87.4,46.5 v1(100.6,46.5)
  Bottom w0.15: v1(100.6,46.5) 102.05,46.5 103.8,48.25 J6.30
Board_0-CAM1_MCLK: length 30.4
  Top w0.15: v1(68.08,53.15) 68.08,53.73 67.82,53.98 M1.122 ; v1(80.85,42.9) 80.91,42.96 R125.2
  In2.Cu w0.15: v1(68.08,53.15) 68.08,53.9 71.6,57.42 74.15,57.42 v1(74.78,56.8)
  In3.Cu w0.15: v1(80.85,42.9) 80.78,42.9 78.83,44.85 78.83,54.95 77.49,56.29 77.49,56.61 77.15,56.95 75.1,56.95 74.95,56.8 v1(74.78,56.8)
Board_0-CAM1_PWDN: length 25.6
  Top w0.15: R122.2 78.5,43.4 v1(78.4,43.5) ; v1(68.85,53.48) 68.32,54.01 M1.120
  In2.Cu w0.15: v1(68.85,53.48) 68.85,54.08 71.15,56.38 71.15,56.48 71.65,56.98 73.58,56.98 v1(74.03,56.52)
  In3.Cu w0.15: v1(74.03,56.52) 74.33,56.23 76.05,56.23 78.47,53.8 78.47,43.58 v1(78.4,43.5)
Board_0-CAM1_RST: length 35.8
  Top w0.15: v1(86.55,47.05) 85.78,47.05 85.05,46.33 85.05,45.38 84.7,45.02 R154.1 ; v1(97.75,47.25) R113.2
  In2.Cu w0.15: 97.75,46.8 87.05,46.8 86.8,47.05 v1(86.55,47.05) ; 97.75,46.8 v1(97.75,47.25) ; 97.75,46.8 99.1,46.8 99.65,47.35 101.35,47.35 106.8,52.8 v1(107.05,52.8)